# KiCad board RV523_CellTestBoard.final.kicad_pcb (continued)
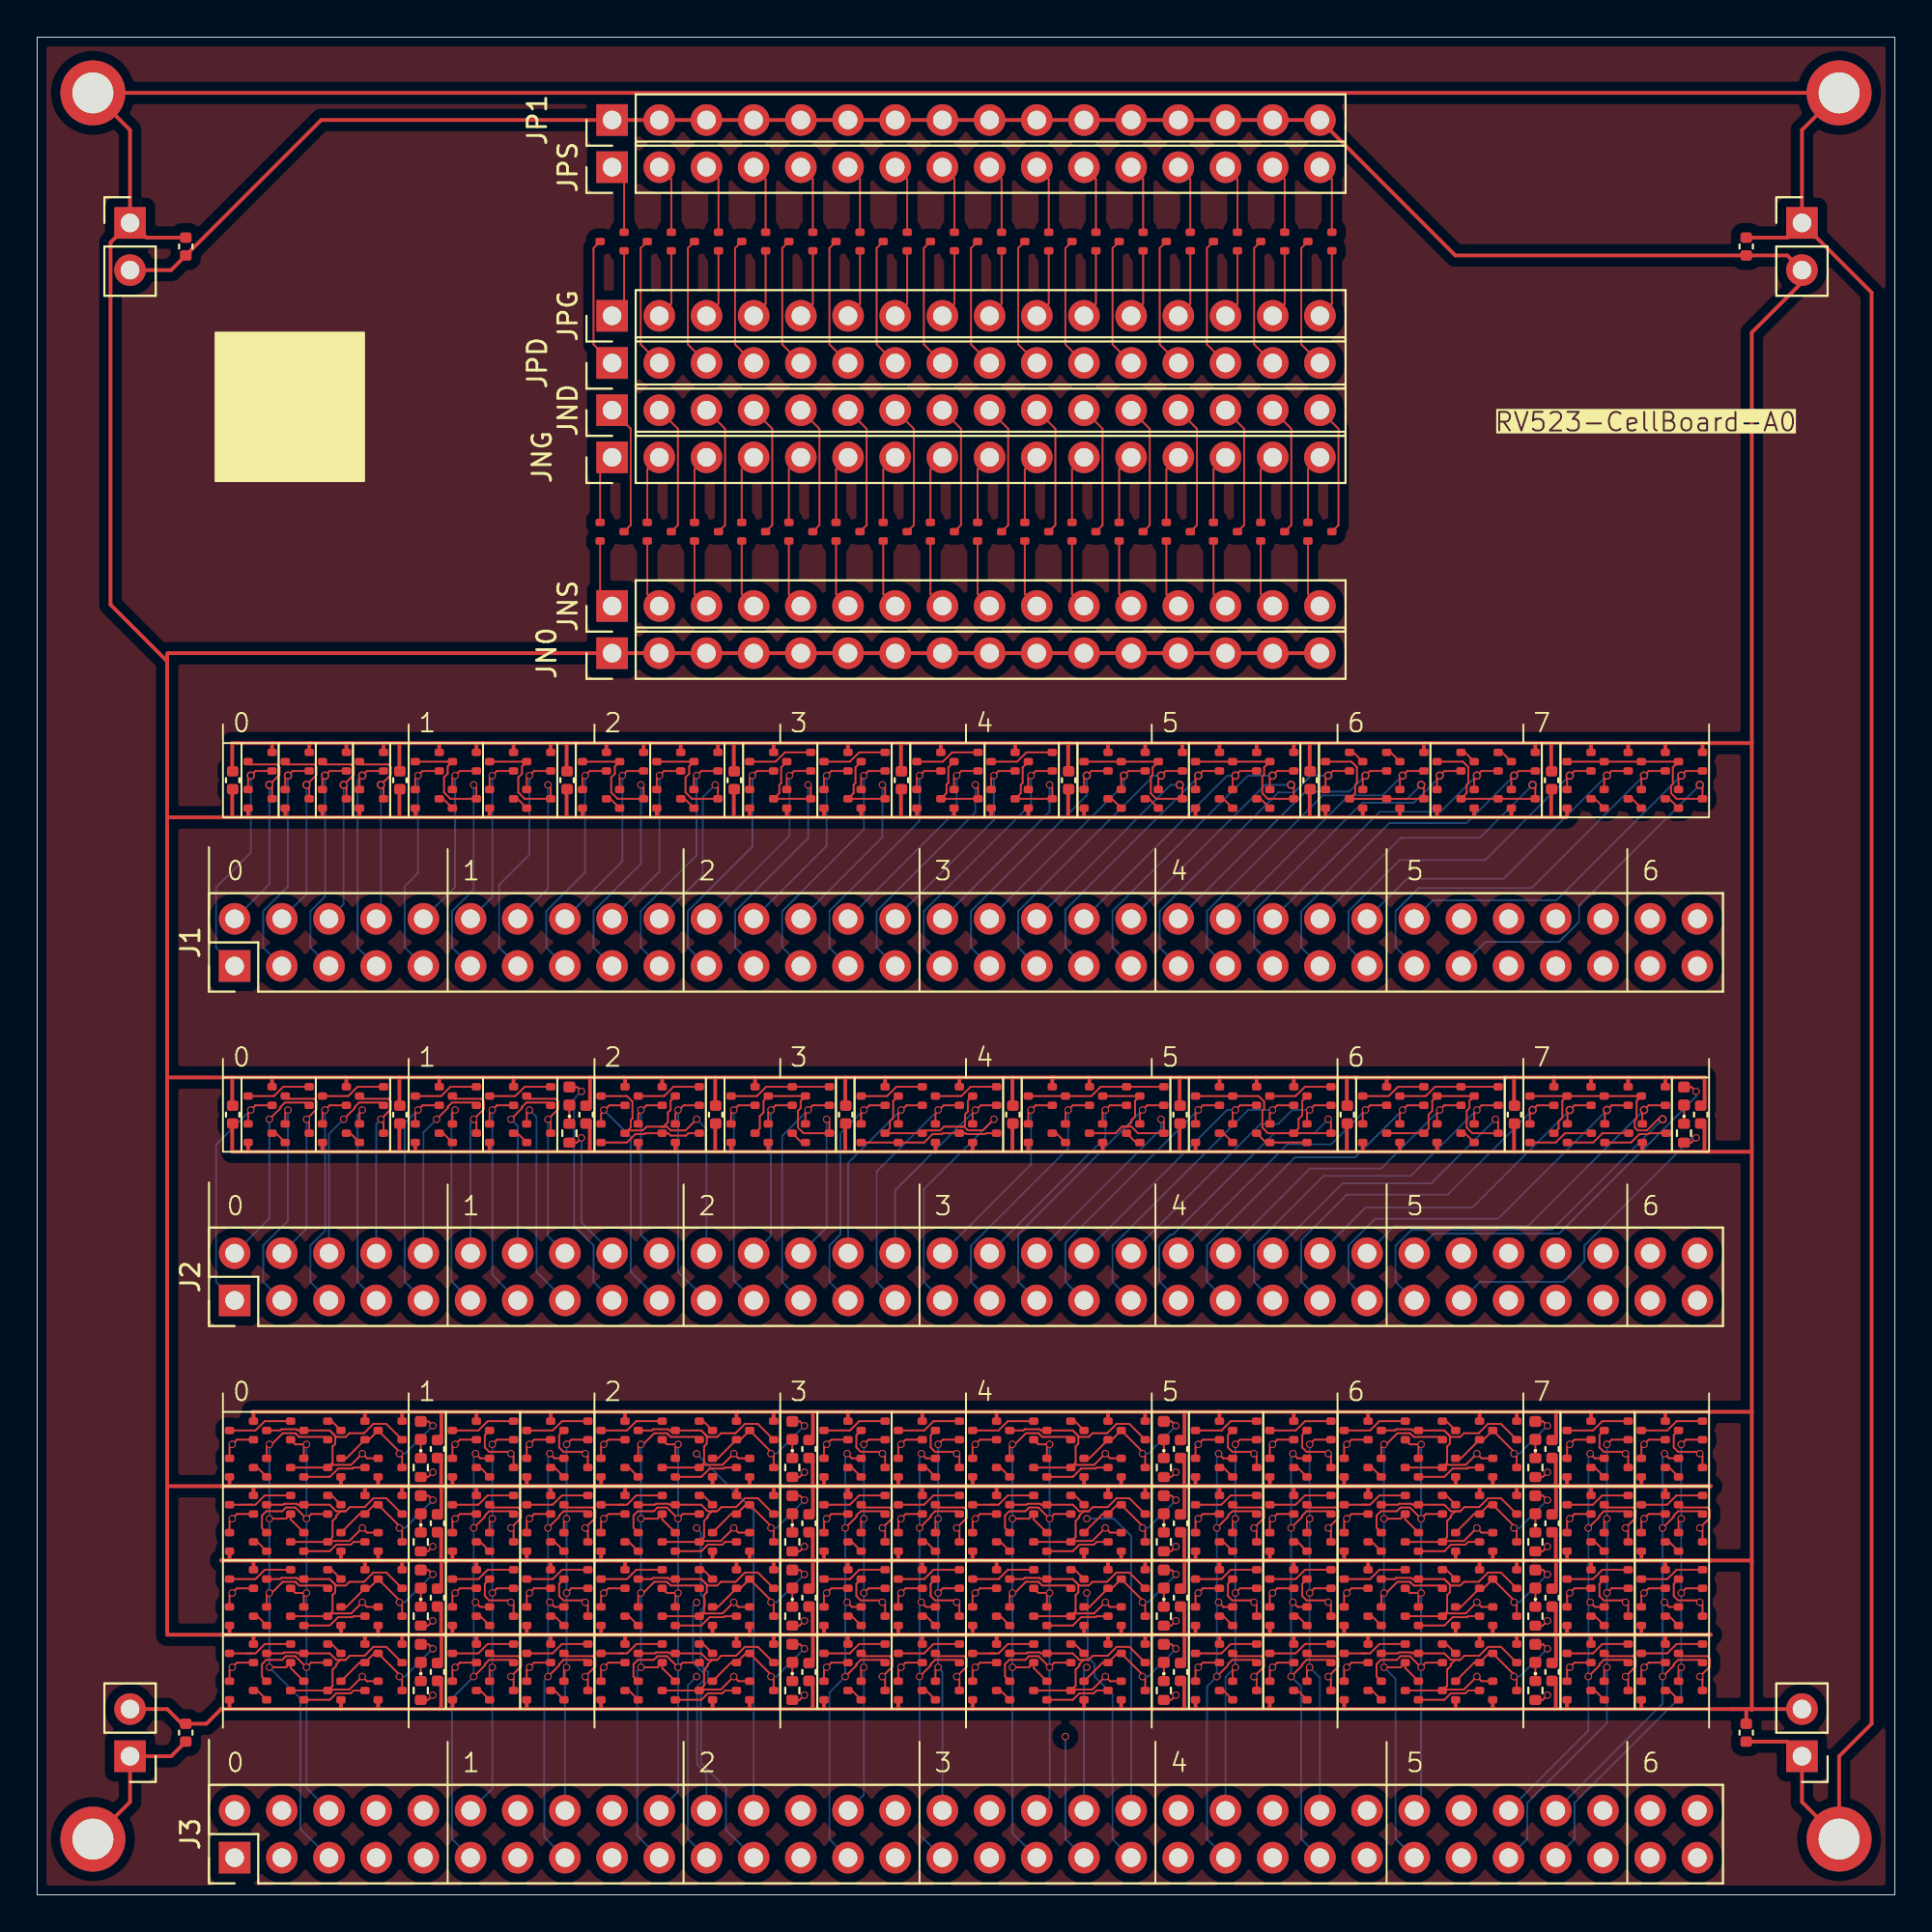
[diagram p0: board, top side]
## Routing (per net, layer and track width the routed paths; a pad name or vN(x,y) marks a point on that pad's centre or on a via; arc(x,y) is an arc through that point) (continued)
genblk2[3].genblk1[3].L.NOT1.intP: length 0.9
  Top w0.1: genblk2[3].genblk1[3].L.NOT1.P2.2 71.86,11 genblk2[3].genblk1[3].L.NOT1.P1.3
genblk2[3].genblk1[3].L.NOT3.intN: length 0.9
  Top w0.1: genblk2[3].genblk1[3].L.NOT3.N2.2 75.86,13.5 genblk2[3].genblk1[3].L.NOT3.N1.3
genblk2[3].genblk1[3].L.NOT3.intP: length 3.5
  Top w0.1: genblk2[3].genblk1[3].L.NOT3.P1.3 77.03,11 76.88,10.85 76.1,10.85 75.75,10.5 genblk2[3].genblk1[3].L.NOT3.P2.2
genblk2[3].genblk1[3].nQ: length 31.4
  Top w0.1: genblk2[3].genblk1[3].R2.P1.1 86.36,12.11 v2(86.5,12.25) 86.75,12.5 genblk2[3].genblk1[3].R2.N1.1 ; genblk2[3].genblk1[3].L.NOT1.P2.3 genblk2[3].genblk1[3].L.NOT3.P2.3 ; genblk2[3].genblk1[3].L.NOT3.P2.3 75.7,11.05 76.8,11.05 v2(77.5,11.75) 77.75,11.5 genblk2[3].genblk1[3].L.NOT2.P1.1 ; genblk2[3].genblk1[3].L.NOT3.P2.3 75.9,11.26 75.9,12.13 76.1,12.33 76.1,12.42 76.33,12.65 76.61,12.65 ; 76.61,12.65 76.83,12.87 77.62,12.87 78.1,13.35 78.79,13.35 genblk2[3].genblk1[3].L.NOT2.N1.1 ; 76.61,12.65 76.1,12.65 75.75,13 genblk2[3].genblk1[3].L.NOT3.N2.3 74.03,13 73.98,13.05 73.31,13.05 73.26,13 genblk2[3].genblk1[3].L.NOT1.N2.3 ; genblk2[3].genblk1[3].R1.P1.1 82.36,12.11 v2(82.5,12.25) 82.75,12.5 genblk2[3].genblk1[3].R1.N1.1
  In2.Cu w0.1: v2(82.5,12.25) 82.5,11.97 83.12,11.35 84.1,11.35 ; 84.1,11.35 85.88,11.35 86.5,11.97 v2(86.5,12.25) ; 84.1,11.35 77.9,11.35 v2(77.5,11.75)
genblk2[3].genblk1[3].Q: length 8.3
  Top w0.1: genblk2[3].genblk1[3].L.NOT2.P1.3 79.64,11.61 v2(79.5,11.75) 79.5,11.86 genblk2[3].genblk1[3].L.NOT2.N1.3 78.14,13 genblk2[3].genblk1[3].L.NOT3.N1.1 77.36,12.5 genblk2[3].genblk1[3].L.NOT3.P1.1 ; genblk2[3].genblk1[3].D.L.2 81.06,13.48 v2(81.3,13.25)
  Bottom w0.1: v2(81.3,13.25) 79.8,11.75 v2(79.5,11.75)
genblk2[3].genblk1[3].R1.intN: length 3.5
  Top w0.1: genblk2[3].genblk1[3].R1.N1.3 83.75,13 84.25,13.5 genblk2[3].genblk1[3].R1.N2.2
genblk2[3].genblk1[3].R1.intP: length 0.9
  Top w0.1: genblk2[3].genblk1[3].R1.P2.2 83.86,11 genblk2[3].genblk1[3].R1.P1.3
genblk2[3].genblk1[3].R2.intN: length 3.5
  Top w0.1: genblk2[3].genblk1[3].R2.N1.3 87.75,13 88.25,13.5 genblk2[3].genblk1[3].R2.N2.2
genblk2[3].genblk1[3].R2.intP: length 0.9
  Top w0.1: genblk2[3].genblk1[3].R2.P1.3 87.86,11 genblk2[3].genblk1[3].R2.P2.2
J1pins.9: length 13
  Top w0.1: NAND2_1.P1.1 20.75,60.5 v2(20.5,60.25) 20.36,60.1 NAND2_1.N1.1
  Bottom w0.1: v2(20.5,60.25) 20.5,55 19.79,54.29 19.79,51 J1.9
J1pins.10: length 10.5
  Top w0.1: NAND2_1.N2.1 22.36,60.1 v2(22.5,60.25) 22.75,60.5 NAND2_1.P2.1
  Bottom w0.1: J1.10 22.5,54.25 v2(22.5,60.25)
J1pins.12: length 10.3
  Top w0.1: NAND2_2.N1.1 24.36,60.1 v2(24.5,60.25) 24.75,60.5 NAND2_2.P1.1
  Bottom w0.1: v2(24.5,60.25) 24.5,53.71 J1.12
J1pins.13: length 13.4
  Top w0.1: NAND2_2.N2.1 26.36,60.1 v2(26.5,60.25) 26.75,60.5 NAND2_2.P2.1
  Bottom w0.1: v2(26.5,60.25) 26.5,56 24.87,54.37 24.87,51 J1.13
J1pins.15: length 13.6
  Top w0.1: NAND2_3.N1.1 29.36,60.1 v2(29.5,60.25) 29.75,60.5 NAND2_3.P1.1
  Bottom w0.1: v2(29.5,60.25) 29.5,55.05 27.41,52.95 27.41,51 J1.15
J1pins.16: length 11
  Top w0.1: NAND2_3.P2.1 31.75,60.5 v2(31.5,60.25) 31.36,60.1 NAND2_3.N2.1
  Bottom w0.1: J1.16 31.5,55.63 v2(31.5,60.25)
J1pins.18: length 10.8
  Top w0.1: NAND2_4.P1.1 33.75,60.5 v2(33.5,60.25) 33.35,60.1 NAND2_4.N1.1
  Bottom w0.1: v2(33.5,60.25) 33.5,55.09 J1.18
J1pins.19: length 14
  Top w0.1: NAND2_4.N2.1 35.35,60.1 v2(35.5,60.25) 35.75,60.5 NAND2_4.P2.1
  Bottom w0.1: v2(35.5,60.25) 35.5,55.97 32.49,52.95 32.49,51 J1.19
J1pins.21: length 14.2
  Top w0.1: NOR2_1.P1.1 38.75,60.5 v2(38.5,60.25) 38.35,60.1 NOR2_1.N1.1
  Bottom w0.1: v2(38.5,60.25) 38.5,56.43 35.03,52.95 35.03,51 J1.21
J1pins.22: length 11.6
  Top w0.1: NOR2_1.N2.1 40.35,60.1 v2(40.5,60.25) 40.75,60.5 NOR2_1.P2.1
  Bottom w0.1: J1.22 40.5,57.01 v2(40.5,60.25)
J1pins.24: length 11.4
  Top w0.1: NOR2_2.N1.1 42.35,60.1 v2(42.5,60.25) 42.75,60.5 NOR2_2.P1.1
  Bottom w0.1: v2(42.5,60.25) 42.5,56.47 J1.24
J1pins.25: length 14.5
  Top w0.1: NOR2_2.N2.1 44.35,60.1 v2(44.5,60.25) 44.75,60.5 NOR2_2.P2.1
  Bottom w0.1: J1.25 40.11,51 40.11,52.95 44.5,57.35 v2(44.5,60.25)
J1pins.27: length 14.7
  Top w0.1: NOR2_3.N1.1 47.35,60.1 v2(47.5,60.25) 47.75,60.5 NOR2_3.P1.1
  Bottom w0.1: v2(47.5,60.25) 47.5,57.81 42.65,52.95 42.65,51 J1.27
J1pins.28: length 12.2
  Top w0.1: NOR2_3.N2.1 49.35,60.1 v2(49.5,60.25) 49.75,60.5 NOR2_3.P2.1
  Bottom w0.1: J1.28 49.5,58.39 v2(49.5,60.25)
J1pins.30: length 12
  Top w0.1: NOR2_4.P1.1 51.75,60.5 v2(51.5,60.25) 51.35,60.1 NOR2_4.N1.1
  Bottom w0.1: J1.30 51.5,57.85 v2(51.5,60.25)
J1pins.31: length 15.1
  Top w0.1: NOR2_4.N2.1 53.35,60.1 v2(53.5,60.25) 53.75,60.5 NOR2_4.P2.1
  Bottom w0.1: J1.31 47.73,51 47.73,52.95 53.5,58.73 v2(53.5,60.25)
J1pins.33: length 15.3
  Top w0.1: NAND3_1.P1.1 56.75,60.5 v1(56.5,60.25) 56.35,60.1 NAND3_1.N1.1
  Bottom w0.1: v1(56.5,60.25) 56.5,59.19 50.27,52.95 50.27,51 J1.33
J1pins.34: length 12.8
  Top w0.1: NAND3_1.P2.1 58.75,60.5 v1(58.5,60.25) 58.35,60.1 NAND3_1.N2.1
  Bottom w0.1: J1.34 58.5,59.77 v1(58.5,60.25)
J1pins.35: length 16.1
  Top w0.1: NAND3_1.N3.1 60.35,60.1 v1(60.5,60.25) 60.75,60.5 NAND3_1.P3.1
  Bottom w0.1: J1.35 52.81,51 52.81,52.95 60.1,60.25 v1(60.5,60.25)
J1pins.37: length 15.7
  Top w0.1: NAND3_2.N1.1 62.35,60.1 v1(62.5,60.25) 62.75,60.5 NAND3_2.P1.1
  Bottom w0.1: v1(62.5,60.25) 62.5,60.18 55.35,53.03 55.35,51 J1.37
J1pins.38: length 13.4
  Top w0.1: NAND3_2.N2.1 64.36,60.1 v1(64.5,60.25) 64.75,60.5 NAND3_2.P2.1
  Bottom w0.1: v1(64.5,60.25) 64.06,60.25 J1.38
J1pins.39: length 17.1
  Top w0.1: NAND3_2.N3.1 66.36,60.1 v1(66.5,60.25) 66.75,60.5 NAND3_2.P3.1
  Bottom w0.1: v1(66.5,60.25) 65.18,60.25 57.89,52.95 57.89,51 J1.39
J1pins.41: length 17.5
  Top w0.1: NOR3_1.N1.1 69.36,60.1 v1(69.5,60.25) 69.75,60.5 NOR3_1.P1.1
  Bottom w0.1: v1(69.5,60.25) 68.57,60.25 67.67,59.35 66.82,59.35 60.43,52.95 60.43,51 J1.41
J1pins.42: length 15.3
  Top w0.1: NOR3_1.N2.1 71.36,60.1 v1(71.5,60.25) 71.75,60.5 NOR3_1.P2.1
  Bottom w0.1: v1(71.5,60.25) 70.64,59.39 68.28,59.39 J1.42
J1pins.43: length 19
  Top w0.1: NOR3_1.P3.1 73.75,60.5 v1(73.5,60.25) 73.36,60.1 NOR3_1.N3.1
  Bottom w0.1: J1.43 62.97,51 62.97,52.95 69.2,59.19 72.44,59.19 v1(73.5,60.25)
J1pins.45: length 18.5
  Top w0.1: NOR3_2.N1.1 75.36,60.1 v1(75.5,60.25) 75.75,60.5 NOR3_2.P1.1
  Bottom w0.1: J1.45 65.51,51 65.51,52.95 71.34,58.79 74.11,58.79 75.5,60.18 v1(75.5,60.25)
J1pins.46: length 16.2
  Top w0.1: NOR3_2.P2.1 77.75,60.5 v1(77.5,60.25) 77.36,60.1 NOR3_2.N2.1
  Bottom w0.1: v1(77.5,60.25) 75.55,58.3 72.27,58.3 J1.46
J1pins.47: length 19.9
  Top w0.1: NOR3_2.P3.1 79.75,60.5 v1(79.5,60.25) 79.36,60.1 NOR3_2.N3.1
  Bottom w0.1: v1(79.5,60.25) 76.95,57.7 72.79,57.7 68.05,52.95 68.05,51 J1.47
J1pins.49: length 20.4
  Top w0.1: NAND4_1.N1.1 82.36,60.1 v1(82.5,60.25) 82.75,60.5 NAND4_1.P1.1
  Bottom w0.1: J1.49 70.59,51 70.59,52.95 73.33,55.7 77.95,55.7 v1(82.5,60.25)
J1pins.50: length 18.2
  Top w0.1: NAND4_1.P2.1 84.75,60.5 v1(84.5,60.25) 84.36,60.1 NAND4_1.N2.1
  Bottom w0.1: J1.50 73.75,54.7 78.95,54.7 v1(84.5,60.25)
J1pins.51: length 21.8
  Top w0.1: NAND4_1.N3.1 86.36,60.1 v1(86.5,60.25) 86.75,60.5 NAND4_1.P3.1
  Bottom w0.1: v1(86.5,60.25) 80.45,54.2 74.37,54.2 73.13,52.95 73.13,51 J1.51
J1pins.52: length 19.6
  Top w0.1: NAND4_1.P4.1 88.75,60.5 v1(88.5,60.25) 88.36,60.1 NAND4_1.N4.1
  Bottom w0.1: J1.52 75.13,53.54 81.79,53.54 v1(88.5,60.25)
J1pins[1]: length 13.5
  Top w0.1: NOT_1.N1.1 11.36,60.1 v1(11.5,60.25) 11.75,60.5 NOT_1.P1.1
  Bottom w0.1: J1.1 9.63,51 9.63,54.23 11.5,56.1 v1(11.5,60.25)
J1pins[2]: length 11.8
  Top w0.1: NOT_1.N1.3 12.64,59.6 v1(12.5,59.75) 13.05,60.3 13.05,60.7 12.9,60.85 11.5,60.85 NOT_1.P1.3
  Bottom w0.1: v1(12.5,59.75) 12.5,54.41 J1.2
J1pins[3]: length 13.3
  Top w0.1: NOT_2.P1.1 13.75,60.5 v1(13.5,60.25) 13.36,60.1 NOT_2.N1.1
  Bottom w0.1: J1.3 12.17,51 12.17,52.95 13.5,54.29 v1(13.5,60.25)
J1pins[4]: length 11.6
  Top w0.1: NOT_2.N1.3 14.64,59.6 v1(14.5,59.75) 15.05,60.3 15.05,60.7 14.9,60.85 13.5,60.85 NOT_2.P1.3
  Bottom w0.1: v1(14.5,59.75) 14.5,53.87 J1.4
J1pins[5]: length 13.1
  Top w0.1: NOT_3.N1.1 15.36,60.1 v1(15.5,60.25) 15.75,60.5 NOT_3.P1.1
  Bottom w0.1: v1(15.5,60.25) 15.5,53.75 14.71,52.95 14.71,51 J1.5
J1pins[6]: length 11.3
  Top w0.1: NOT_3.P1.3 15.5,60.85 16.9,60.85 17.05,60.7 17.05,60.3 v1(16.5,59.75) 16.64,59.6 NOT_3.N1.3
  Bottom w0.1: J1.6 16.5,53.33 v1(16.5,59.75)
J1pins[7]: length 12.8
  Top w0.1: NOT_4.N1.1 17.36,60.1 v1(17.5,60.25) 17.75,60.5 NOT_4.P1.1
  Bottom w0.1: v1(17.5,60.25) 17.25,60 17.25,51 J1.7
J1pins[8]: length 11.1
  Top w0.1: NOT_4.P1.3 17.5,60.85 18.9,60.85 19.05,60.7 19.05,60.3 v1(18.5,59.75) 18.64,59.6 NOT_4.N1.3
  Bottom w0.1: J1.8 18.5,52.79 v1(18.5,59.75)
J1pins[11]: length 17.2
  Top w0.1: v2(23.5,59.75) 23.64,59.6 NAND2_1.N2.3 22.25,59 21.9,59.35 21.9,60.15 22.1,60.35 22.1,60.74 NAND2_1.P2.3 NAND2_1.P1.3
  Bottom w0.1: J1.11 22.33,51 22.33,52.95 23.5,54.13 v2(23.5,59.75)
J1pins[14]: length 14.4
  Top w0.1: v2(27.5,59.75) 27.64,59.6 NAND2_2.N2.3 26.25,59 25.9,59.35 25.9,60.15 26.1,60.35 26.1,60.74 NAND2_2.P2.3 NAND2_2.P1.3
  Bottom w0.1: J1.14 27.5,54.17 v2(27.5,59.75)
J1pins[17]: length 17.8
  Top w0.1: v2(32.5,59.75) 32.65,59.6 NAND2_3.N2.3 31.25,59 30.9,59.35 30.9,60.15 31.1,60.35 31.1,60.74 NAND2_3.P2.3 NAND2_3.P1.3
  Bottom w0.1: v2(32.5,59.75) 32.5,55.51 29.95,52.95 29.95,51 J1.17
J1pins[20]: length 15
  Top w0.1: NAND2_4.P1.3 NAND2_4.P2.3 35.1,60.74 35.1,60.35 34.9,60.15 34.9,59.35 35.25,59 NAND2_4.N2.3 36.65,59.6 v2(36.5,59.75)
  Bottom w0.1: J1.20 35.83,54.88 35.83,59.08 v2(36.5,59.75)
J1pins[23]: length 16.9
  Top w0.1: NOR2_1.P2.3 40.05,60.69 40.05,59.85 39.95,59.75 39.95,59.31 NOR2_1.N1.3 NOR2_1.N2.3 41.65,59.6 v2(41.5,59.75)
  Bottom w0.1: v2(41.5,59.75) 41.5,56.89 37.57,52.95 37.57,51 J1.23
J1pins[26]: length 14.1
  Top w0.1: NOR2_2.P2.3 44.05,60.69 44.05,59.85 43.95,59.75 43.95,59.31 NOR2_2.N1.3 NOR2_2.N2.3 45.65,59.6 v2(45.5,59.75)
  Bottom w0.1: J1.26 45.5,56.93 v2(45.5,59.75)
J1pins[29]: length 17.5
  Top w0.1: NOR2_3.P2.3 49.05,60.69 49.05,59.85 48.95,59.75 48.95,59.31 NOR2_3.N1.3 NOR2_3.N2.3 50.65,59.6 v2(50.5,59.75)
  Bottom w0.1: v2(50.5,59.75) 50.5,58.27 45.19,52.95 45.19,51 J1.29
J1pins[32]: length 14.7
  Top w0.1: v2(54.5,59.75) 54.65,59.6 NOR2_4.N2.3 NOR2_4.N1.3 52.95,59.31 52.95,59.75 53.05,59.85 53.05,60.69 NOR2_4.P2.3
  Bottom w0.1: v2(54.5,59.75) 54.5,58.31 J1.32
J1pins[36]: length 19.2
  Top w0.1: NAND3_1.P1.3 NAND3_1.P2.3 NAND3_1.P3.3 60.05,60.69 60.05,60.3 59.95,60.2 59.95,59.3 60.25,59 NAND3_1.N3.3 61.65,59.6 v1(61.5,59.75)
  Bottom w0.1: J1.36 61.02,59.75 v1(61.5,59.75)
J1pins[40]: length 20.1
  Top w0.1: v1(67.5,59.75) 67.64,59.6 NAND3_2.N3.3 66.25,59 65.95,59.3 65.95,60.2 66.05,60.3 66.05,60.69 NAND3_2.P3.3 NAND3_2.P2.3 NAND3_2.P1.3
  Bottom w0.1: v1(67.5,59.75) 66.1,59.75 J1.40
J1pins[44]: length 22
  Top w0.1: NOR3_1.P1.3 70.75,61 71.05,60.7 71.05,59.85 70.95,59.75 70.95,59.31 NOR3_1.N1.3 NOR3_1.N2.3 NOR3_1.N3.3 74.64,59.6 v1(74.5,59.75)
  Bottom w0.1: v1(74.5,59.75) 73.74,58.99 70.42,58.99 J1.44
J1pins[48]: length 22.9
  Top w0.1: v1(80.5,59.75) 80.64,59.6 NOR3_2.N3.3 NOR3_2.N2.3 NOR3_2.N1.3 76.95,59.31 76.95,59.75 77.05,59.85 77.05,60.7 76.75,61 NOR3_2.P1.3
  Bottom w0.1: v1(80.5,59.75) 77.65,56.9 73.41,56.9 J1.48
J1pins[53]: length 27.9
  Top w0.1: NAND4_1.P1.3 NAND4_1.P2.3 NAND4_1.P3.3 NAND4_1.P4.3 88.05,60.69 88.05,59.8 87.95,59.7 87.95,59.3 88.25,59 NAND4_1.N4.3 89.64,59.6 v1(89.5,59.75)
  Bottom w0.1: J1.53 77.97,51.3 81.93,51.3 83,52.37 83,53.25 v1(89.5,59.75)
J2pins.1: length 13.5
  Top w0.1: TINV_1.N1.1 11.75,42.5 v2(11.5,42.25) 11.36,42.1 TINV_1.P1.1
  Bottom w0.1: v2(11.5,42.25) 9.63,40.38 9.63,33 J2.1
J2pins.2: length 10.6
  Top w0.1: v2(12.5,41.75) 13.1,42.35 13.1,42.42 13.33,42.65 14.5,42.65 TINV_1.N2.1
  Bottom w0.1: v2(12.5,41.75) 12.5,36.41 J2.2
J2pins.3: length 12
  Top w0.1: v2(13.5,42.25) 13.36,42.1 TINV_1.P2.1
  Bottom w0.1: J2.3 12.17,33 12.17,34.95 13.5,36.29 v2(13.5,42.25)
J2pins.5: length 13.1
  Top w0.1: TINV_2.N1.1 15.75,42.5 v2(15.5,42.25) 15.36,42.1 TINV_2.P1.1
  Bottom w0.1: J2.5 14.71,33 14.71,34.95 15.5,35.75 v2(15.5,42.25)
J2pins.6: length 10.2
  Top w0.1: v2(16.5,41.75) 17.1,42.35 17.1,42.42 17.33,42.65 18.5,42.65 TINV_2.N2.1
  Bottom w0.1: v2(16.5,41.75) 15.71,40.96 J2.6
J2pins.7: length 11.6
  Top w0.1: v2(17.5,42.25) 17.36,42.1 TINV_2.P2.1
  Bottom w0.1: v2(17.5,42.25) 17.25,42 17.25,33 J2.7
J2pins.9: length 13
  Top w0.1: TINV_3.P1.1 20.36,42.1 v2(20.5,42.25) 20.75,42.5 TINV_3.N1.1
  Bottom w0.1: v2(20.5,42.25) 19.79,41.54 19.79,33 J2.9
J2pins.10: length 10.1
  Top w0.1: v2(21.5,41.75) 22.1,42.35 22.1,42.42 22.33,42.65 23.5,42.65 TINV_3.N2.1
  Bottom w0.1: v2(21.5,41.75) 20.79,41.04 J2.10
J2pins.11: length 11.6
  Top w0.1: TINV_3.P2.1 22.36,42.1 v2(22.5,42.25)
  Bottom w0.1: J2.11 22.3,33.03 22.3,42.05 v2(22.5,42.25)
J2pins.13: length 12.9
  Top w0.1: TINV_4.P1.1 24.36,42.1 v2(24.5,42.25) 24.75,42.5 TINV_4.N1.1
  Bottom w0.1: J2.13 24.5,33.37 v2(24.5,42.25)
J2pins.14: length 10
  Top w0.1: TINV_4.N2.1 27.5,42.65 26.33,42.65 26.1,42.42 26.1,42.35 v2(25.5,41.75)
  Bottom w0.1: v2(25.5,41.75) 25.87,41.38 J2.14
J2pins.15: length 11.9
  Top w0.1: v2(26.5,42.25) 26.36,42.1 TINV_4.P2.1
  Bottom w0.1: J2.15 26.87,33.54 26.87,41.88 v2(26.5,42.25)
J2pins.19: length 13.5
  Top w0.1: AOI21_1.N1.1 30.8,42.5 30.36,42.05 AOI21_1.P1.1
  Bottom w0.1: J2.19 31.95,33.54 31.95,40.8 v2(30.5,42.25)
J2pins.20: length 10.1
  Top w0.1: AOI21_1.P2.1 32.35,42.05 32.8,42.5 AOI21_1.N2.1
  Bottom w0.1: v2(32.5,42.25) 32.5,35.53 J2.20
J2pins.21: length 12.9
  Top w0.1: AOI21_1.N3.1 34.8,42.5 34.35,42.05 AOI21_1.P3.1
  Bottom w0.1: J2.21 34.5,33.53 v2(34.5,42.25)
J2pins.23: length 12.8
  Top w0.1: OAI21_1.P1.1 37.35,42.1 v2(37.5,42.25) 37.75,42.5 OAI21_1.N1.1
  Bottom w0.1: v2(37.5,42.25) 37.5,33.07 J2.23
J2pins.24: length 10.2
  Top w0.1: OAI21_1.N2.1 39.75,42.5 v2(39.5,42.25) 39.35,42.1 OAI21_1.P2.1
  Bottom w0.1: J2.24 39.5,35.47 v2(39.5,42.25)
J2pins.25: length 13.3
  Top w0.1: OAI21_1.N3.1 41.75,42.5 v2(41.5,42.25) 41.35,42.1 OAI21_1.P3.1
  Bottom w0.1: J2.25 40.11,33 40.11,40.86 v2(41.5,42.25)
J2pins.27: length 13.5
  Top w0.1: AOI22_1.P1.1 44.35,42.05 44.8,42.5 AOI22_1.N1.1
  Bottom w0.1: v2(44.5,42.25) 43.24,40.99 43.24,35.54 42.65,34.95 42.65,33 J2.27
J2pins.28: length 10.9
  Top w0.1: AOI22_1.P2.1 46.35,42.05 46.8,42.5 AOI22_1.N2.1
  Bottom w0.1: v2(46.5,42.25) 43.65,39.4 J2.28
J2pins.29: length 14.1
  Top w0.1: AOI22_1.N3.1 48.8,42.5 48.35,42.05 AOI22_1.P3.1
  Bottom w0.1: v2(48.5,42.25) 45.19,38.94 45.19,33 J2.29
J2pins.30: length 11.5
  Top w0.1: AOI22_1.P4.1 50.35,42.05 50.8,42.5 AOI22_1.N4.1
  Bottom w0.1: v2(50.5,42.25) 46.19,37.94 J2.30
J2pins.32: length 11.7
  Top w0.1: OAI22_1.N1.1 53.75,42.5 v2(53.5,42.25) 53.35,42.1 OAI22_1.P1.1
  Bottom w0.1: J2.32 53.5,39.31 v2(53.5,42.25)
J2pins.33: length 14.9
  Top w0.1: OAI22_1.P2.1 55.35,42.1 v2(55.5,42.25) 55.75,42.5 OAI22_1.N2.1
  Bottom w0.1: v2(55.5,42.25) 55.5,40.19 50.27,34.95 50.27,33 J2.33
J2pins.34: length 12.3
  Top w0.1: OAI22_1.N3.1 57.75,42.5 v2(57.5,42.25) 57.35,42.1 OAI22_1.P3.1
  Bottom w0.1: J2.34 57.5,40.77 v2(57.5,42.25)
J2pins.35: length 15.5
  Top w0.1: OAI22_1.N4.1 59.75,42.5 v2(59.5,42.25) 59.35,42.1 OAI22_1.P4.1
  Bottom w0.1: v2(59.5,42.25) 52.81,35.56 52.81,33 J2.35
J2pins.37: length 15.7
  Top w0.1: AOI211_1.P1.1 62.35,42.1 v2(62.5,42.25) 62.75,42.5 AOI211_1.N1.1
  Bottom w0.1: J2.37 55.35,33 55.35,35.1 v2(62.5,42.25)
J2pins.38: length 13.4
  Top w0.1: AOI211_1.N2.1 64.75,42.5 v2(64.5,42.25) 64.36,42.1 AOI211_1.P2.1
  Bottom w0.1: v2(64.5,42.25) 64.06,42.25 J2.38
J2pins.39: length 17.1
  Top w0.1: AOI211_1.N3.1 66.75,42.5 v2(66.5,42.25) 66.36,42.1 AOI211_1.P3.1
  Bottom w0.1: v2(66.5,42.25) 65.18,42.25 57.89,34.95 57.89,33 J2.39
J2pins.40: length 14.9
  Top w0.1: AOI211_1.P4.1 68.36,42.1 v2(68.5,42.25) 68.75,42.5 AOI211_1.N4.1
  Bottom w0.1: v2(68.5,42.25) 67.57,42.25 66.82,41.5 65.85,41.5 J2.40
J2pins.42: length 15.3
  Top w0.1: OAI211_1.N1.1 71.75,42.5 v2(71.5,42.25) 71.36,42.1 OAI211_1.P1.1
  Bottom w0.1: v2(71.5,42.25) 69.65,40.4 67.29,40.4 J2.42
J2pins.43: length 19
  Top w0.1: OAI211_1.N2.1 73.75,42.5 v2(73.5,42.25) 73.36,42.1 OAI211_1.P2.1
  Bottom w0.1: J2.43 62.97,33 62.97,34.95 67.71,39.7 70.95,39.7 v2(73.5,42.25)
J2pins.44: length 16.8
  Top w0.1: OAI211_1.P3.1 75.36,42.1 v2(75.5,42.25) 75.75,42.5 OAI211_1.N3.1
  Bottom w0.1: v2(75.5,42.25) 72.35,39.1 68.53,39.1 J2.44
J2pins.45: length 20.4
  Top w0.1: OAI211_1.N4.1 77.75,42.5 v2(77.5,42.25) 77.36,42.1 OAI211_1.P4.1
  Bottom w0.1: v2(77.5,42.25) 73.95,38.7 69.25,38.7 65.51,34.95 65.51,33 J2.45
J2pins.47: length 21.1
  Top w0.1: NOR4_1.N1.1 80.75,42.5 v1(80.5,42.25) 80.36,42.1 NOR4_1.P1.1
  Bottom w0.1: J2.47 68.05,33 68.05,35.25 70.5,37.7 75.95,37.7 v1(80.5,42.25)
J2pins.48: length 18.7
  Top w0.1: NOR4_1.N2.1 82.75,42.5 v1(82.5,42.25) 82.37,42.12 NOR4_1.P2.1
  Bottom w0.1: J2.48 71.51,37 77.25,37 v1(82.5,42.25)
J2pins.49: length 22.3
  Top w0.1: NOR4_1.N3.1 84.75,42.5 v1(84.5,42.25) 84.39,42.14 NOR4_1.P3.1
  Bottom w0.1: v1(84.5,42.25) 78.65,36.4 72.03,36.4 70.59,34.95 70.59,33 J2.49
J2pins.50: length 20.1
  Top w0.1: NOR4_1.P4.1 86.41,42.16 v1(86.5,42.25) 86.75,42.5 NOR4_1.N4.1
  Bottom w0.1: v1(86.5,42.25) 80.25,36 73.05,36 J2.50
J2pins[4]: length 11.6
  Top w0.1: TINV_1.P2.3 14.64,41.6 v2(14.5,41.75) 15.05,42.3 15.05,42.7 14.9,42.85 13.5,42.85 TINV_1.N2.3
  Bottom w0.1: v2(14.5,41.75) 14.5,35.87 J2.4
J2pins[8]: length 11.1
  Top w0.1: TINV_2.P2.3 18.64,41.6 v2(18.5,41.75) 19.05,42.3 19.05,42.7 18.9,42.85 17.5,42.85 TINV_2.N2.3
  Bottom w0.1: v2(18.5,41.75) 18.25,41.5 J2.8
J2pins[12]: length 11.1
  Top w0.1: TINV_3.P2.3 23.64,41.6 v2(23.5,41.75) 24.05,42.3 24.05,42.7 23.9,42.85 22.5,42.85 TINV_3.N2.3
  Bottom w0.1: J2.12 23.33,41.58 v2(23.5,41.75)
J2pins[16]: length 11.4
  Top w0.1: TINV_4.P2.3 27.64,41.6 v2(27.5,41.75) 28.05,42.3 28.05,42.7 27.9,42.85 26.5,42.85 TINV_4.N2.3
  Bottom w0.1: v2(27.5,41.75) 27.5,35.45 J2.16
J2pins[17]: length 13
  Top w0.1: DECAP_LED_12.L.2 29.07,43.48 v2(29.3,43.25)
  Bottom w0.1: v2(29.3,43.25) 28.9,42.85 28.9,36 29.95,34.95 29.95,33 J2.17
J2pins[18]: length 7.7
  Top w0.1: DECAP_LED_12.R.2 29.04,40.49 v2(29.3,40.75)
  Bottom w0.1: v2(29.3,40.75) 29.3,36.19 J2.18
J2pins[22]: length 17.5
  Top w0.1: AOI21_1.N3.3 34.1,42.74 34.1,42.26 33.95,42.11 33.95,41.59 33.71,41.35 33.57,41.35 ; v2(35.5,41.75) 34.9,41.15 34.1,41.15 33.9,41.35 33.57,41.35 ; 33.57,41.35 32.81,41.35 32.6,41.15 31.79,41.15 AOI21_1.P1.3 31.95,41.31 31.95,41.7 32.05,41.8 32.05,42.7 31.75,43 AOI21_1.N1.3
  Bottom w0.1: v2(35.5,41.75) 36.03,41.22 J2.22
J2pins[26]: length 16.6
  Top w0.1: OAI21_1.P1.3 38.9,41.26 38.9,41.92 39.1,42.11 39.1,42.74 OAI21_1.N2.3 OAI21_1.N3.3 41.1,42.74 41.1,42.35 40.95,42.21 40.95,41.3 41.25,41 OAI21_1.P3.3 42.65,41.6 v2(42.5,41.75)
  Bottom w0.1: v2(42.5,41.75) 42.5,35.93 J2.26
J2pins[31]: length 22.3
  Top w0.1: 49.72,41.35 48.81,41.35 48.61,41.15 47.79,41.15 AOI22_1.P2.3 AOI22_1.P1.3 45.9,41.26 45.9,41.65 46.08,41.83 46.08,42.73 AOI22_1.N2.3 ; 49.72,41.35 49.85,41.35 49.95,41.45 49.95,42.02 50.1,42.17 50.1,42.74 AOI22_1.N4.3 ; 49.72,41.35 49.9,41.35 50.05,41.2 50.06,41.2 50.11,41.15 50.9,41.15 v2(51.5,41.75)
  Bottom w0.1: J2.31 47.73,33 47.73,37.98 v2(51.5,41.75)
J2pins[36]: length 19.3
  Top w0.1: 58.39,41.35 58.04,41 OAI22_1.P2.3 ; 58.39,41.35 58.9,41.35 59.25,41 OAI22_1.P4.3 60.65,41.6 v2(60.5,41.75) ; 58.39,41.35 58.67,41.35 58.9,41.58 58.9,41.7 59.1,41.9 59.1,42.74 OAI22_1.N4.3 OAI22_1.N3.3
  Bottom w0.1: v2(60.5,41.75) 60.5,41.23 J2.36
J2pins[41]: length 27.5
  Top w0.1: AOI211_1.N1.3 AOI211_1.N2.3 65.75,43 66.05,42.71 66.05,42.3 65.95,42.21 65.95,41.3 66.25,41 AOI211_1.P3.3 ; AOI211_1.P3.3 AOI211_1.P4.3 69.64,41.6 v2(69.5,41.75) ; AOI211_1.P3.3 67.9,41.26 67.9,41.76 68.1,41.96 68.1,42.74 AOI211_1.N4.3
  Bottom w0.1: J2.41 60.4,33.03 60.4,34.93 61.02,35.54 61.14,35.54 66.6,41 68.75,41 v2(69.5,41.75)
J2pins[46]: length 25.8
  Top w0.1: v2(78.5,41.75) 78.64,41.6 OAI211_1.P4.3 77.25,41 76.95,41.3 76.95,42.21 77.1,42.35 77.1,42.74 OAI211_1.N4.3 OAI211_1.N3.3 75.1,42.74 75.1,42.2 74.9,42 74.9,41.26 OAI211_1.P2.3 OAI211_1.P1.3
  Bottom w0.1: J2.46 70.27,38.3 75.05,38.3 v2(78.5,41.75)
J2pins[51]: length 32.5
  Top w0.1: NOR4_1.N1.3 NOR4_1.N2.3 ; NOR4_1.N2.3 82.1,42.74 82.1,41.83 81.9,41.63 81.9,41.26 NOR4_1.P1.3 ; NOR4_1.N2.3 NOR4_1.N3.3 NOR4_1.N4.3 86.1,42.74 86.1,41.8 86,41.7 86,41.3 86.15,41.15 86.66,41.15 87.26,41.75 v1(87.5,41.75)
  Bottom w0.1: v1(87.5,41.75) 81.55,35.8 73.97,35.8 73.13,34.95 73.13,33 J2.51
J2pins[52]: length 19.7
  Top w0.1: DECAP_LED_19.L.2 89.06,43.48 v2(89.3,43.25)
  Bottom w0.1: J2.52 75.19,35.6 81.93,35.6 89.3,42.97 v2(89.3,43.25)
J2pins[53]: length 17.5
  Top w0.1: DECAP_LED_19.R.2 89.04,40.49 v2(89.3,40.75)
  Bottom w0.1: J2.53 77.67,33 82.16,33 83.29,34.13 83.29,34.95 89.08,40.75 v2(89.3,40.75)
J3pins.1: length 96
  Top w0.1: genblk2[2].genblk1[0].L.NOT1.P1.1 50.75,24.5 v2(50.5,24.25) 50.35,24.11 genblk2[2].genblk1[0].L.NOT1.N1.1 ; genblk2[0].genblk1[0].L.NOT1.N1.1 10.36,24.11 v2(10.5,24.25) 10.75,24.5 genblk2[0].genblk1[0].L.NOT1.P1.1 ; genblk2[3].genblk1[0].L.NOT1.P1.1 70.75,24.5 v2(70.5,24.25) 70.36,24.11 genblk2[3].genblk1[0].L.NOT1.N1.1 ; genblk2[1].genblk1[0].L.NOT1.N1.1 30.36,24.11 v2(30.5,24.25) 30.75,24.5 genblk2[1].genblk1[0].L.NOT1.P1.1
  In2.Cu w0.1: v2(70.5,24.25) 69.43,24.25 68.8,23.62 68.8,23.6 67.55,22.35 52.4,22.35 v2(50.5,24.25) 49.3,24.25 47.4,22.35 32.4,22.35 v2(30.5,24.25) 29.43,24.25 27.53,22.35 12.4,22.35 v2(10.5,24.25) 9.58,23.33 9.58,3.05 J3.1
J3pins.2: length 89.5
  Top w0.1: genblk2[1].genblk1[1].L.NOT1.P1.1 30.36,20.11 v2(30.5,20.25) 30.75,20.5 genblk2[1].genblk1[1].L.NOT1.N1.1 ; genblk2[2].genblk1[1].L.NOT1.P1.1 50.35,20.11 v2(50.5,20.25) 50.75,20.5 genblk2[2].genblk1[1].L.NOT1.N1.1 ; genblk2[0].genblk1[1].L.NOT1.P1.1 10.36,20.11 v2(10.5,20.25) 10.75,20.5 genblk2[0].genblk1[1].L.NOT1.N1.1 ; genblk2[3].genblk1[1].L.NOT1.P1.1 70.36,20.11 v2(70.5,20.25) 70.75,20.5 genblk2[3].genblk1[1].L.NOT1.N1.1
  In2.Cu w0.1: J3.2 9.78,5.39 9.78,19.53 v2(10.5,20.25) 12.4,18.35 27.53,18.35 29.43,20.25 v2(30.5,20.25) 32.45,18.3 47.6,18.3 48.4,19.1 48.4,19.22 49.43,20.25 v2(50.5,20.25) 52.45,18.3 67.4,18.3 69.35,20.25 v2(70.5,20.25)
J3pins.3: length 88.7
  Top w0.1: genblk2[2].genblk1[2].L.NOT1.N1.1 50.35,16.11 v2(50.5,16.25) 50.75,16.5 genblk2[2].genblk1[2].L.NOT1.P1.1 ; genblk2[3].genblk1[2].L.NOT1.N1.1 70.36,16.11 v2(70.5,16.25) 70.75,16.5 genblk2[3].genblk1[2].L.NOT1.P1.1 ; genblk2[0].genblk1[2].L.NOT1.N1.1 10.36,16.11 v2(10.5,16.25) 10.75,16.5 genblk2[0].genblk1[2].L.NOT1.P1.1 ; genblk2[1].genblk1[2].L.NOT1.P1.1 30.75,16.5 v2(30.5,16.25) 30.36,16.11 genblk2[1].genblk1[2].L.NOT1.N1.1
  In2.Cu w0.1: J3.3 12.17,3 12.17,4.95 10.1,7.02 10.1,15.85 v2(10.5,16.25) 12.4,14.35 27.53,14.35 29.43,16.25 v2(30.5,16.25) 32.4,14.35 47.55,14.35 48.8,15.6 48.8,15.62 49.43,16.25 v2(50.5,16.25) 52.4,14.35 67.55,14.35 68.9,15.7 68.9,15.72 69.43,16.25 v2(70.5,16.25)
J3pins.4: length 81.9
  Top w0.1: genblk2[2].genblk1[3].L.NOT1.P1.1 50.35,12.11 v2(50.5,12.25) 50.75,12.5 genblk2[2].genblk1[3].L.NOT1.N1.1 ; genblk2[0].genblk1[3].L.NOT1.N1.1 10.75,12.5 v2(10.5,12.25) 10.36,12.11 genblk2[0].genblk1[3].L.NOT1.P1.1 ; genblk2[1].genblk1[3].L.NOT1.P1.1 30.36,12.11 v2(30.5,12.25) 30.75,12.5 genblk2[1].genblk1[3].L.NOT1.N1.1 ; genblk2[3].genblk1[3].L.NOT1.N1.1 70.75,12.5 v2(70.5,12.25) 70.36,12.11 genblk2[3].genblk1[3].L.NOT1.P1.1
  In2.Cu w0.1: J3.4 10.5,7.21 v2(10.5,12.25) 12.4,10.35 27.53,10.35 29.43,12.25 v2(30.5,12.25) 32.45,10.3 47.12,10.3 48.47,11.65 48.75,11.65 49.35,12.25 v2(50.5,12.25) 52.45,10.3 67.12,10.3 69.07,12.25 v2(70.5,12.25)
J3pins.5: length 37.4
  Top w0.1: genblk2[0].genblk1[3].L.NOT3.P2.1 13.64,12.21 genblk2[0].genblk1[3].L.NOT1.N2.1 13.39,12.25 v2(12.5,12.25) ; genblk2[0].genblk1[2].L.NOT3.P2.1 15.5,16.65 14.1,16.65 13.95,16.8 13.95,16.8 13.89,16.85 13.22,16.85 12.62,16.25 v2(12.5,16.25) 12.36,16.11 genblk2[0].genblk1[2].L.NOT1.N2.1 ; v2(12.5,20.25) 13.39,20.25 genblk2[0].genblk1[1].L.NOT1.N2.1 13.64,20.21 genblk2[0].genblk1[1].L.NOT3.P2.1 ; genblk2[0].genblk1[0].L.NOT3.P2.1 15.5,24.65 14.1,24.65 13.95,24.8 13.95,24.8 13.89,24.85 13.22,24.85 12.62,24.25 v2(12.5,24.25) 12.36,24.11 genblk2[0].genblk1[0].L.NOT1.N2.1
  Bottom w0.1: J3.5 14.17,3.54 14.17,10.58 v2(12.5,12.25) v2(12.5,16.25) v2(12.5,20.25) v2(12.5,24.25)
J3pins.6: length 33.9
  Top w0.1: genblk2[0].genblk1[0].L.NOT3.N2.1 14.36,24.11 v2(14.5,24.25) 13.89,24.25 genblk2[0].genblk1[0].L.NOT1.P2.1 ; genblk2[0].genblk1[3].L.NOT1.P2.1 12.1,11.76 12.1,12.42 12.33,12.65 13.19,12.65 13.39,12.85 13.9,12.85 14.5,12.25 v2(14.5,12.25) 14.75,12.5 genblk2[0].genblk1[3].L.NOT3.N2.1 ; genblk2[0].genblk1[1].L.NOT3.N2.1 14.75,20.5 v2(14.5,20.25) 14.5,20.25 13.9,20.85 13.39,20.85 13.19,20.65 12.33,20.65 12.1,20.42 12.1,19.76 genblk2[0].genblk1[1].L.NOT1.P2.1 ; genblk2[0].genblk1[2].L.NOT1.P2.1 13.89,16.25 v2(14.5,16.25) 14.36,16.11 genblk2[0].genblk1[2].L.NOT3.N2.1